# Altium PCB 56PCB -0.pcbdoc (part 1 of 2)
Units mm, origin at the board's own origin, x right, y up, seen from the top; angles counter-clockwise.
Board outline 101.98 x 99.56 mm, 2 copper layers (Top Layer, Bottom Layer); 154 components, 155 nets, 639 pads, 258 vias.
Unrouted connection lines stored in the file: 101.
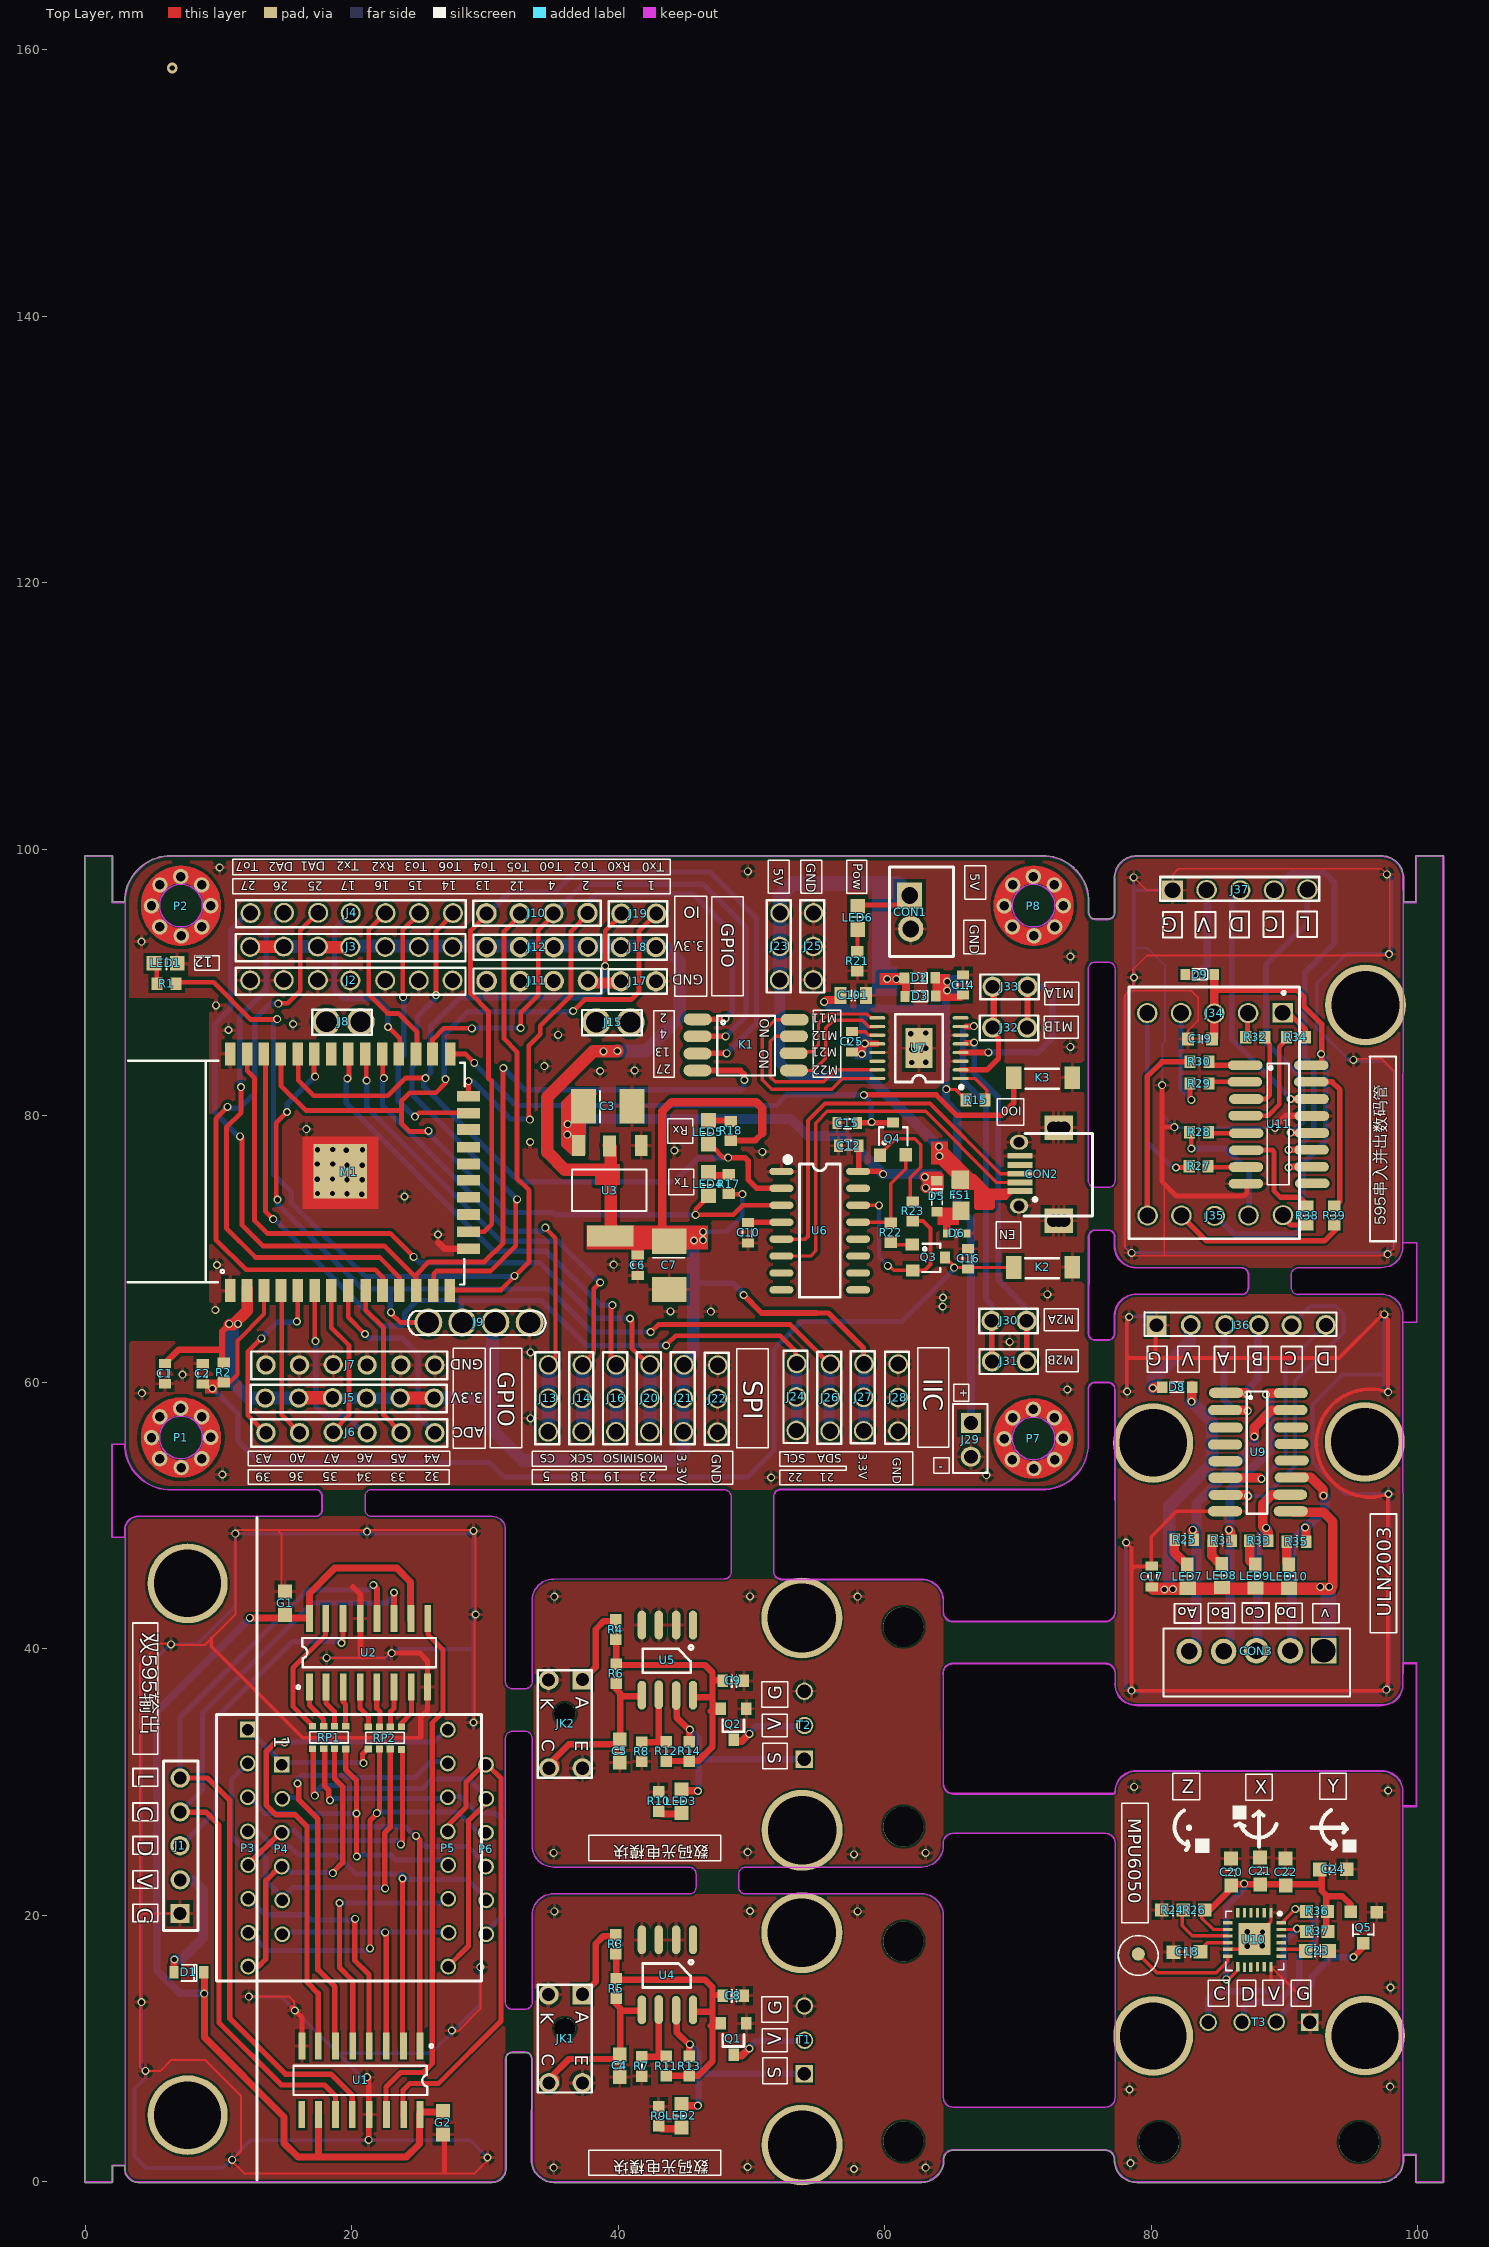
[diagram p0: Top Layer view]
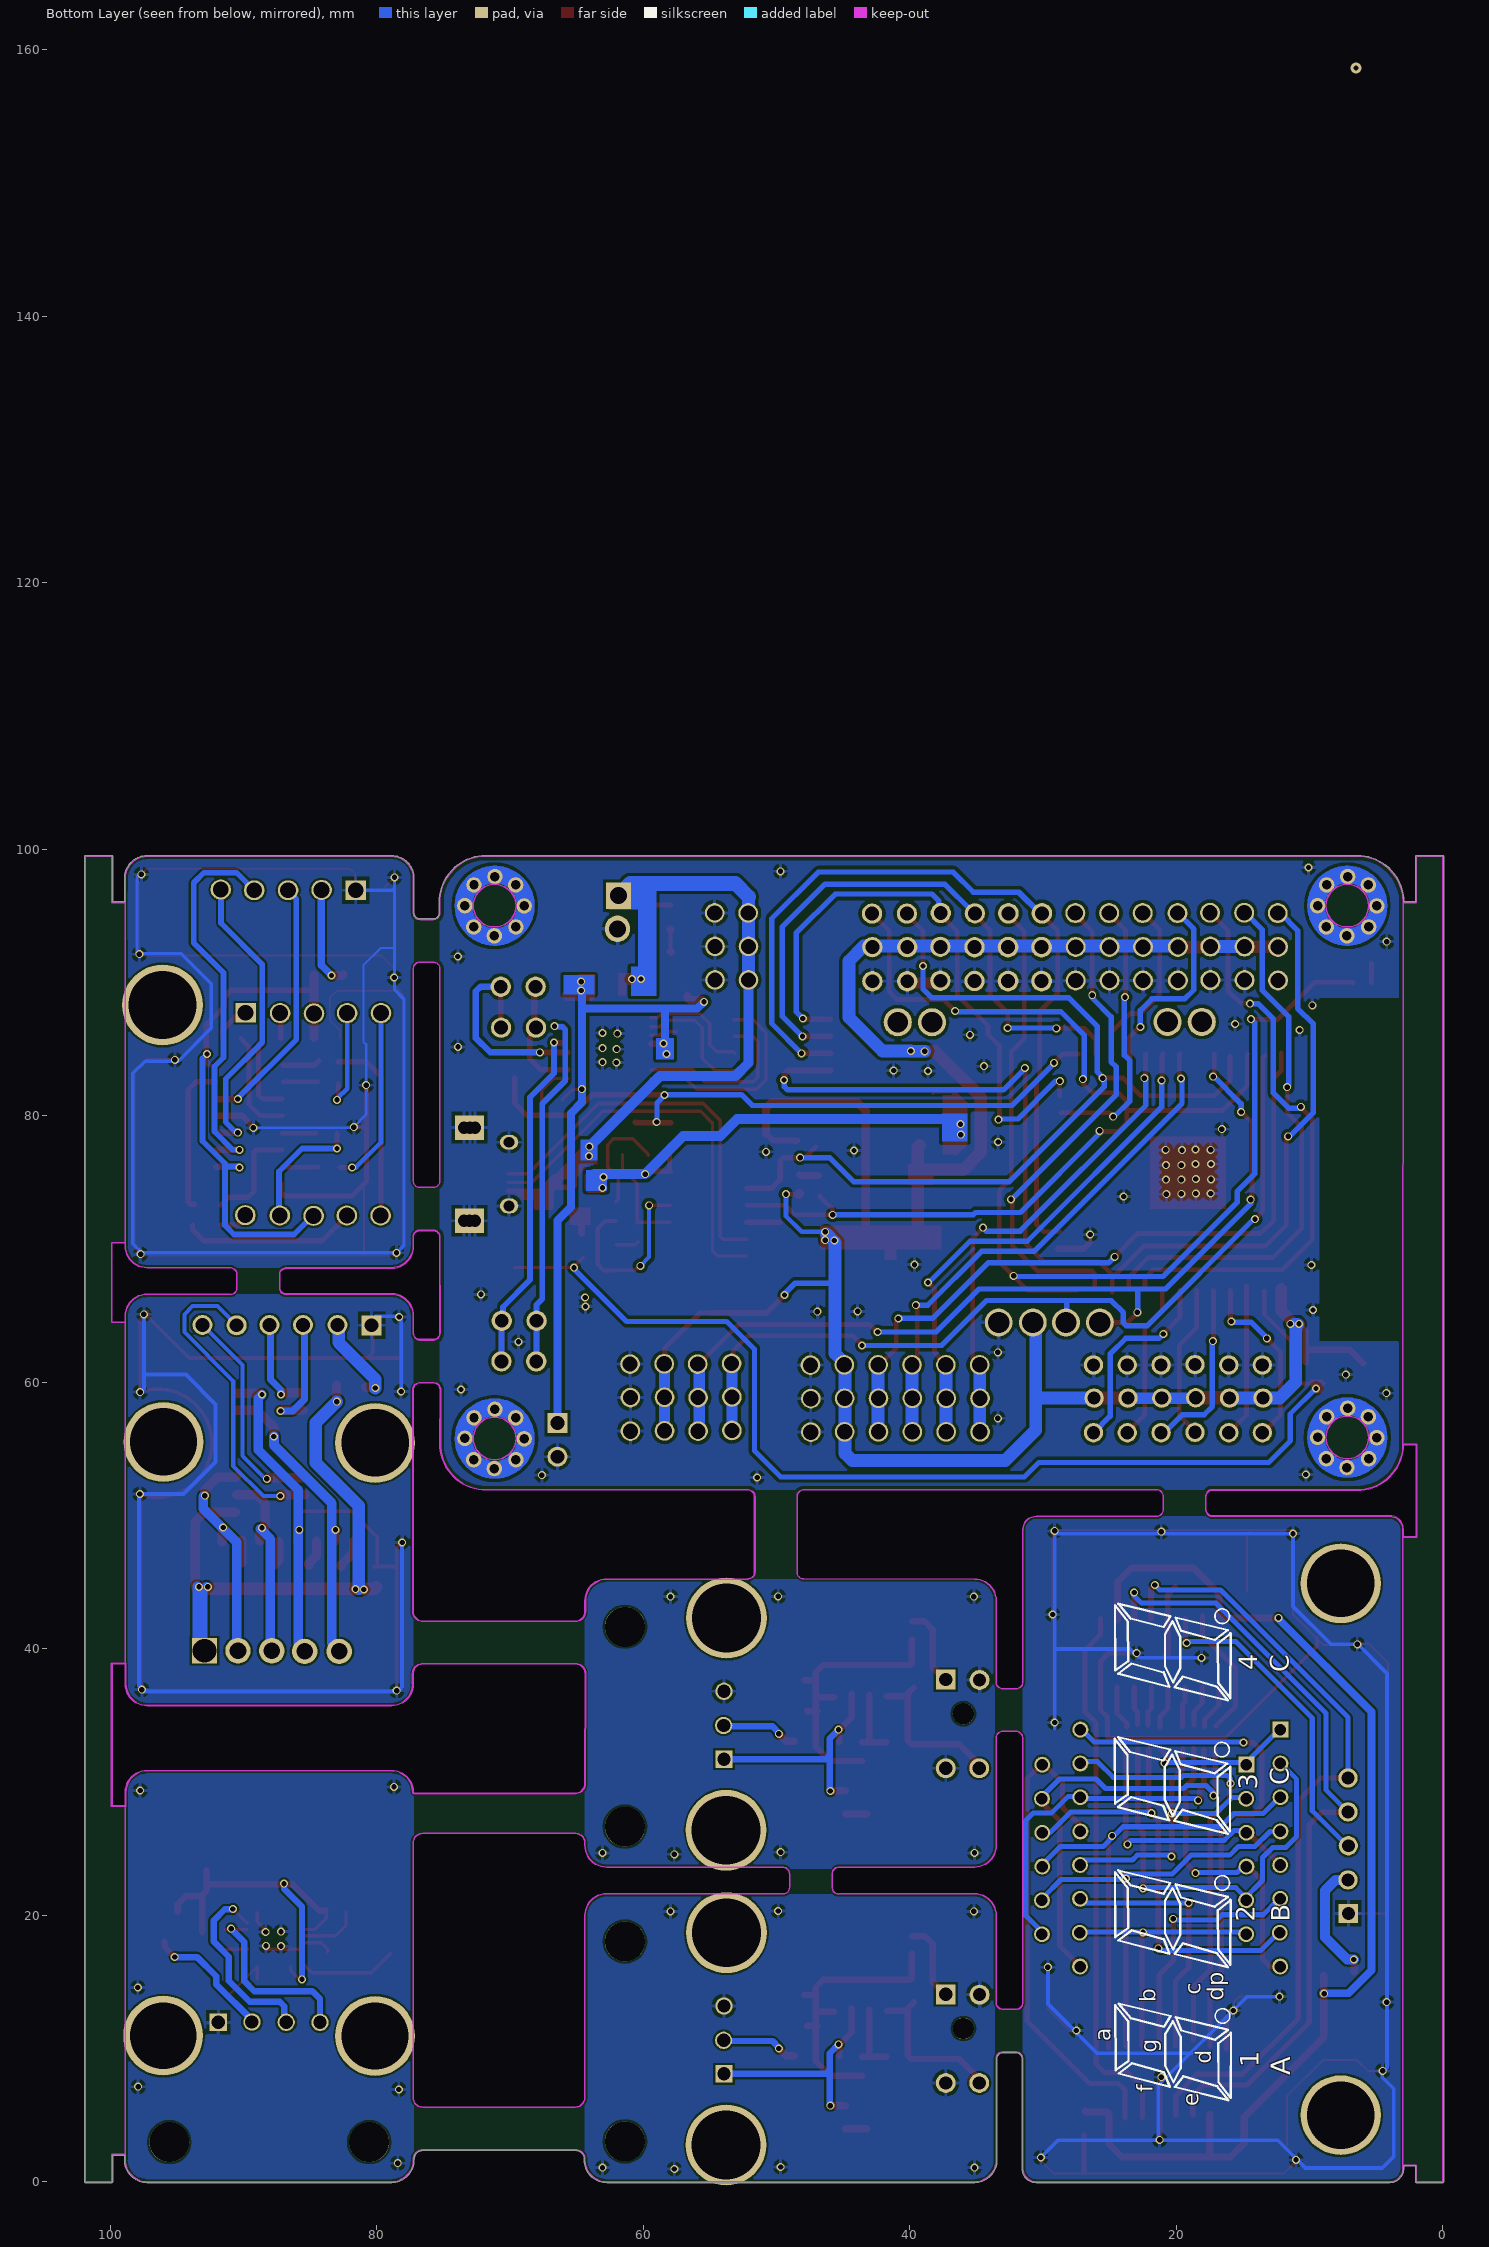
[diagram p1: Bottom Layer view, seen from below]

## Layer stack, top to bottom
Top Solder: solder mask 0.0102, Solder Resist, Dk 3.5
Top Layer: signal copper 0.0356
Dielectric 1: dielectric 0.32, FR-4, Dk 4.8
Bottom Layer: signal copper 0.0356
Bottom Solder: solder mask 0.0102, Solder Resist, Dk 3.5

## Board outline
3.989,-0.05 ccw(c3.991,0.991) 3.991,-0.05 ccw(c3.991,0) 3.991,-0.05 30.533,-0.05 30.534,-0.05 ccw(c30.534,0) 30.534,-0.05 ccw(c30.534,0.991) 31.465,0.525 ccw(c30.534,0.991) 31.575,0.99 ccw(c31.524,0.991) 31.575,0.991 31.58,9.24 ccw(c31.53,9.24) 31.58,9.24 cw(c32.038,9.24) 32.038,9.697 33.028,9.697 cw(c33.028,9.24) 33.486,9.24 cw(c33.028,9.24) 33.486,9.24 33.474,1.626 ccw(c33.524,1.626) 33.474,1.625 cw(c35.15,1.626) 33.474,1.626 33.474,1.625 ccw(c35.15,1.626) 35.15,-0.05 62.76,-0.05 ccw(c62.76,1.626) 64.436,1.625 ccw(c64.385,1.626) 64.436,1.626 cw(c62.76,1.626) 64.436,1.625 64.436,1.626 ccw(c64.385,1.626) 64.435,1.629 64.431,1.699 cw(c65.092,1.697) 65.092,2.358 76.547,2.358 cw(c76.547,1.697) 77.208,1.697 ccw(c77.258,1.697) 77.208,1.694 77.213,1.624 ccw(c78.889,1.626) 78.889,-0.05 97.253,-0.05 ccw(c97.253,0) 97.253,-0.05 ccw(c97.253,1.626) 98.929,1.626 98.929,2.007 99.828,2.007 99.828,0 ccw(c99.878,0) 99.878,-0.05 101.878,-0.05 ccw(c101.878,0) 101.929,0 101.929,99.46 ccw(c101.878,99.46) 101.878,99.51 99.878,99.51 ccw(c99.878,99.46) 99.828,99.46 99.828,96.04 98.93,96.04 98.929,97.834 ccw(c97.253,97.834) 97.253,99.51 78.889,99.51 ccw(c78.889,99.46) 78.888,99.51 ccw(c78.889,97.834) 77.213,97.834 ccw(c77.263,97.834) 77.224,97.803 77.224,95.25 ccw(c77.269,95.228) 77.218,95.228 cw(c76.761,95.228) 76.761,94.77 75.77,94.77 cw(c75.77,95.228) 75.312,95.227 75.313,96.285 ccw(c75.263,96.285) 75.313,96.285 ccw(c75.263,96.285) 75.313,96.288 ccw(c71.834,96.031) 72.092,99.51 ccw(c72.088,99.46) 72.088,99.51 6.176,99.51 ccw(c6.175,99.46) 6.171,99.51 ccw(c6.429,96.031) 2.951,96.299 ccw(c2.999,96.285) 2.949,96.285 2.949,96.04 2.05,96.04 2.05,99.46 ccw(c2,99.46) 2,99.51 0,99.51 ccw(c0,99.46) -0.05,99.46 -0.05,0 ccw(c0,0) 0,-0.05 2,-0.05 ccw(c2,0) 2.05,0 2.05,1.197 2.95,1.197 2.95,0.991 ccw(c3,0.991) 2.95,0.991 ccw(c3.991,0.991)
cut-out: 30.534,49.936 cw(c30.534,48.946) 31.524,48.946 31.526,37.51 31.529,37.51 ccw(c32.037,37.51) 32.037,37.002 33.027,37.002 ccw(c33.027,37.51) 33.535,37.51 33.533,37.51 33.524,43.605 cw(c35.15,43.605) 35.15,45.231 47.959,45.248 ccw(c47.959,45.756) 48.467,45.756 48.467,51.42 ccw(c47.959,51.42) 47.959,51.928 21.506,51.94 ccw(c21.506,51.432) 20.998,51.432 20.998,50.442 ccw(c21.506,50.442) 21.506,49.934 21.506,49.936
cut-out: 75.267,75.127 75.263,91.012 cw(c75.771,91.012) 75.771,91.52 76.762,91.52 cw(c76.762,91.012) 77.27,91.012 77.274,91.012 77.274,75.127 cw(c76.766,75.127) 76.766,74.619 75.775,74.619 cw(c75.775,75.127)
cut-out: 90.503,67.091 ccw(c91.011,67.091) 91.011,66.583 91.011,66.586 97.253,66.599 cw(c97.253,64.973) 98.878,64.973 98.878,64.494 99.9,64.494 99.9,70.463 98.878,70.463 98.878,70.224 cw(c97.253,70.224) 97.253,68.599 91.011,68.592 91.011,68.59 ccw(c91.011,68.082) 90.503,68.082
cut-out: 49.033,22.108 ccw(c49.541,22.108) 49.541,21.6 62.76,21.615 cw(c62.76,19.99) 64.385,19.99 64.397,6.319 64.398,6.319 ccw(c65.11,6.319) 65.11,5.608 76.565,5.608 ccw(c76.565,6.319) 77.276,6.319 77.276,25.428 ccw(c76.565,25.428) 76.565,26.139 65.092,26.139 ccw(c65.092,25.428) 64.381,25.428 64.385,25.428 64.385,25.241 cw(c62.76,25.241) 62.76,23.615 49.541,23.606 ccw(c49.541,23.098) 49.033,23.098
cut-out: 31.529,13.456 ccw(c32.037,13.456) 32.037,12.948 33.027,12.948 ccw(c33.027,13.456) 33.535,13.456 33.533,13.456 33.524,19.99 cw(c35.15,19.99) 35.15,21.615 45.325,21.601 45.325,21.598 ccw(c45.325,22.106) 45.833,22.106 45.833,23.097 ccw(c45.325,23.097) 45.325,23.605 45.325,23.607 35.15,23.615 cw(c35.15,25.241) 33.524,25.241 33.536,33.294 ccw(c33.028,33.294) 33.028,33.802 32.038,33.802 ccw(c32.038,33.294) 31.53,33.294 31.526,33.294
cut-out: 65.11,29.1 77.178,29.1 ccw(c77.178,29.235) 77.313,29.235 cw(c78.889,29.235) 78.889,30.811 88.071,30.811 97.253,30.811 cw(c97.253,29.235) 98.828,29.236 ccw(c98.878,29.235) 98.828,29.235 98.828,28.215 ccw(c98.878,28.215) 98.837,28.186 ccw(c98.894,28.215) 98.894,28.151 99.881,28.151 ccw(c99.881,28.215) 99.945,28.215 99.945,38.873 ccw(c99.881,38.873) 99.881,38.936 98.894,38.936 ccw(c98.894,38.873) 98.831,38.862 ccw(c98.881,38.859) 98.831,38.859 98.828,37.363 ccw(c98.878,37.363) 98.828,37.363 ccw(c97.253,37.363) 98.828,37.363 cw(c97.253,37.363) 97.253,35.788 cw(c97.253,37.363) 97.253,35.788 cw(c97.253,35.738) 97.253,35.788 78.889,35.788 cw(c78.889,37.363) 77.314,37.329 ccw(c77.277,37.363) 77.328,37.363 77.328,38.142 ccw(c76.554,38.142) 76.554,38.916 65.084,38.916 ccw(c65.084,38.154) 64.323,38.154 ccw(c64.373,38.154) 64.326,38.136 64.346,29.861 ccw(c64.397,29.861) 64.348,29.849 ccw(c65.11,29.861)
cut-out: 64.335,43.605 cw(c64.385,43.605) 64.335,43.606 cw(c62.76,43.605) 64.335,43.605 64.34,42.776 cw(c65.102,42.777) 64.34,42.777 64.34,42.776 ccw(c65.102,42.777) 65.102,42.015 76.557,42.015 ccw(c76.557,42.777) 77.319,42.777 ccw(c77.269,42.777) 77.319,42.777 77.315,59.449 ccw(c77.265,59.449) 77.315,59.456 ccw(c76.757,59.449) 76.757,60.008 75.766,60.008 ccw(c75.766,59.449) 75.208,59.449 ccw(c75.258,59.449) 75.209,59.437 75.213,55.113 cw(c71.834,55.365) 72.086,51.987 52.175,51.98 cw(c52.175,51.421) 52.175,51.98 ccw(c52.175,51.421) 51.617,51.421 51.617,45.757 ccw(c52.175,45.757) 52.159,45.199 ccw(c52.175,45.246) 52.175,45.196 62.76,45.18 ccw(c62.76,45.231) 62.76,45.18 ccw(c62.76,43.605) 62.76,45.18 cw(c62.76,43.605)
cut-out: 31.474,48.946 cw(c31.524,48.946) 31.474,48.946 cw(c31.524,48.946) 31.474,48.947 cw(c30.534,48.946)
cut-out: 31.474,48.946 cw(c31.524,48.946) 31.474,48.946 cw(c31.524,48.946) 31.474,48.947 cw(c30.534,48.946)
cut-out: 2.033,48.415 2.95,48.415 2.95,48.946 cw(c3,48.946) 2.95,48.947 cw(c3,48.946) 2.95,48.947 ccw(c3.991,48.946) 2.95,48.946 2.95,48.947 cw(c3.991,48.946) 3.06,49.411 cw(c3.991,48.946) 3.991,49.987 cw(c3.991,49.936) 3.991,49.987 17.29,49.987 cw(c17.29,49.936) 17.308,49.983 ccw(c17.29,50.441) 17.748,50.441 17.748,51.431 ccw(c17.29,51.431) 17.29,51.889 ccw(c17.29,51.431) 17.29,51.889 6.683,51.886 cw(c6.683,51.936) 6.683,51.886 cw(c6.683,51.936) 6.683,51.886 ccw(c6.683,51.936) 6.683,51.886 6.175,51.886 cw(c6.175,51.936) 6.171,51.886 cw(c6.429,55.365) 2.95,55.108 cw(c3,55.111) 2.95,55.111 2.95,55.315 2.033,55.315
cut-out: 75.307,63.665 ccw(c75.765,63.665) 75.765,63.208 76.755,63.208 ccw(c76.755,63.665) 77.213,63.665 ccw(c76.755,63.665) 77.213,63.665 77.213,64.973 cw(c77.263,64.973) 77.213,64.973 cw(c78.889,64.973) 78.888,66.649 cw(c78.889,64.973) 78.889,66.649 86.795,66.632 ccw(c86.795,67.09) 87.253,67.09 87.253,68.08 ccw(c86.795,68.08) 86.795,68.538 cw(c86.795,68.588) 86.795,68.538 78.889,68.548 cw(c78.889,68.599) 78.888,68.548 cw(c78.889,70.224) 77.213,70.224 ccw(c77.263,70.224) 77.213,70.224 77.213,71.016 ccw(c76.767,70.911) 76.767,71.369 75.777,71.369 ccw(c75.777,70.911) 75.319,70.911 cw(c75.269,70.911) 75.319,70.911

## Design rules (kind name [scope] priority, off if disabled: settings)
Clearance [All] p1: gap=0.152 ignorepadtopadclearanceinfootprint=FALSE
HoleToHoleClearance [All] p1: gap=0.203 allowstackedmicrovias=TRUE
PolygonConnect [All] p1: connectstyle=Relief reliefconductorwidth=0.254 reliefentries=4 polygonreliefangle="90 Angle" airgapwidth=0.254
RoutingVias [All] p1: holewidth=6 width=8 viastyle="Through Hole" minholewidth=0.3 minwidth=0.6 maxholewidth=0.711 maxwidth=1.27
SilkToSilkClearance [All] p1: silktosilkclearance=0.152
SolderMaskExpansion [All] p1: expansion=0.102 istentingtop=FALSE
Width [All] p1: maxlimit=5 minlimit=0.203 preferedwidth=0.254
28 further rules are at their usual default settings.

## Components (designator, comment, footprint, x,y, rotation, side; value= is the part's Value field where it differs from the comment)
C1 "104" COMPONENT_13 5.972,60.649 r90 top
C2 "104" COMPONENT_13 8.817,60.623 r90 top
C3 "100UF/10V" COMPONENT_17 39.195,80.715 r180 top
C4 "104" COMPONENT_4#1 40.103,8.712 r270 top
C5 "104" COMPONENT_4#1 40.103,32.328 r270 top
C6 "104" COMPONENT_13 41.456,68.777 r90 top
C7 "100UF/10V" COMPONENT_17 43.818,68.777 r90 top
C8 "105" COMPONENT_5#1 48.637,13.97 r90 top
C9 "105" COMPONENT_5#1 48.637,37.585 r90 top
C10 "104" COMPONENT_13 49.733,71.222 r90 top
C12 "104" COMPONENT_13 57.277,77.749 r0 top
C14 "104" COMPONENT_13 65.865,89.808 r90 top
C15 "104" COMPONENT_13 57.175,79.451 r180 top
C16 "104" COMPONENT_13 66.246,69.259 r90 top
C17 "104" COMPONENT_5#2 80.032,45.415 r0 top
C18 "104" COMPONENT_5#3 82.673,17.247 r90 top
C19 "104" COMPONENT_4#2 83.651,85.769 r0 top
C20 "104." COMPONENT_5#3 85.975,23.241 r0 top
C21 "104." COMPONENT_5#3 88.16,23.317 r180 top
C22 "103" COMPONENT_5#3 90.065,23.241 r180 top
C23 "2.2nF" COMPONENT_4#3 92.452,17.323 r180 top
C24 "105" COMPONENT_5#3 93.646,23.444 r270 top
C25 "10nf" COMPONENT_13 57.531,85.547 r270 top
C101 "10UF" "C 0805_L" 57.633,89.027 r180 top
CON1 "XH2.54MM*2P直针插座" COMPONENT_24 61.903,95.269 r90 top
CON2 "安卓尾插牛角5针USB插座" COMPONENT_25 71.656,75.609 r90 top
CON3 "XH2.54MM*5P直针插座" COMPONENT_7#1 87.88,39.827 r0 top
D1 "S4" COMPONENT_6#1 7.775,15.723 r0 top
D2 "S4" COMPONENT_21 62.614,90.341 r0 top
D3 "S4" COMPONENT_21 62.665,88.97 r0 top
D5 "S4" COMPONENT_21 63.909,73.958 r90 top
D6 "NC" COMPONENT_22 65.382,71.164 r0 top
D8 "S4" COMPONENT_2#1 81.937,59.639 r0 top
D9 "S4" COMPONENT_3#1 83.626,90.595 r0 top
FS1 "FS" COMPONENT_23 65.687,74.034 r90 top
G1 "104" COMPONENT_5#4 14.989,43.434 r180 top
G2 "104" COMPONENT_5#4 26.851,4.42 r180 top
J1 "2.54排针5P黑色" COMPONENT_1#1 7.115,25.222 r0 top
J2 "2.54排针13P黑色" COMPONENT_4#4 19.967,90.163 r90 top
J3 "2.54排针13P红色" COMPONENT_4#4 19.967,92.678 r90 top
J4 "2.54排针13P黄色" COMPONENT_4#4 19.993,95.218 r90 top
J5 "2.54排针6P红色" COMPONENT_1#2 19.84,58.82 r90 top
J6 "2.54排针6P蓝色" COMPONENT_1#2 19.891,56.229 r90 top
J7 "2.54排针6P黑色" COMPONENT_1#2 19.891,61.309 r90 top
J8 "2P圆孔排母DS18B20" COMPONENT_5#5 19.383,87.039 r90 top
J9 "4P圆孔排母DS18B20" COMPONENT_2#2 29.543,64.484 r90 top
J10 "NC" COMPONENT_6#2 33.886,95.193 r90 top
J11 "NC" COMPONENT_6#2 33.912,90.113 r90 top
J12 "NC" COMPONENT_6#2 33.912,92.653 r90 top
J13 "2.54排针3P白色" COMPONENT_3#2 34.75,58.794 r90 top
J14 "2.54排针3P绿色" COMPONENT_3#2 37.29,58.794 r90 top
J15 "2P圆孔排母DS18B20" COMPONENT_5#5 39.627,87.014 r90 top
J16 "2.54排针3P蓝色" COMPONENT_3#2 39.83,58.794 r90 top
J17 "NC" COMPONENT_7#2 41.506,90.087 r90 top
J18 "NC" COMPONENT_7#2 41.506,92.653 r90 top
J19 "NC" COMPONENT_7#2 41.532,95.167 r90 top
J20 "2.54排针3P黄色" COMPONENT_3#2 42.37,58.794 r90 top
J21 "2.54排针3P红色" COMPONENT_3#2 44.91,58.794 r90 top
J22 "2.54排针3P黑色" COMPONENT_3#2 47.45,58.769 r90 top
J23 "2.54排针3P红色" COMPONENT_3#2 52.124,92.703 r90 top
J24 "2.54排针3P蓝色" COMPONENT_3#2 53.368,58.896 r90 top
J25 "2.54排针3P黑色" COMPONENT_3#2 54.638,92.703 r90 top
J26 "2.54排针3P黄色" COMPONENT_3#2 55.908,58.845 r90 top
J27 "2.54排针3P红色" COMPONENT_3#2 58.423,58.871 r90 top
J28 "2.54排针3P黑色" COMPONENT_3#2 60.988,58.845 r90 top
J29 "NC" COMPONENT_8 66.449,55.67 r90 top
J30 "2.54排针2P蓝色" COMPONENT_7#2 69.319,64.611 r90 top
J31 "2.54排针2P黄色" COMPONENT_7#2 69.345,61.563 r90 top
J32 "2.54排针2P黄色" COMPONENT_7#2 69.37,86.607 r90 top
J33 "2.54排针2P蓝色" COMPONENT_7#2 69.396,89.681 r90 top
J34 "5P圆孔排母DS18B20" COMPONENT_2#3 84.769,87.7 r0 top
J35 "5P圆孔排母DS18B20" COMPONENT_2#4 84.794,72.51 r0 top
J36 "2.54排针6P黑色" COMPONENT_1#3 86.737,64.287 r0 top
J37 "2.54排针5P黑色" COMPONENT_1#4 86.648,96.945 r0 top
JK1 "ITR20403红外线对射式光电开关" COMPONENT_1#5 36.039,10.744 r90 top
JK2 "ITR20403红外线对射式光电开关" COMPONENT_1#5 36.039,34.36 r90 top
K1 "贴片拨码开关（4位，1.25mm脚间距）" COMPONENT_18 49.584,85.312 r90 top
K2 "3*4*2MM按键按钮 2脚" COMPONENT_19 71.859,68.624 r90 top
K3 "3*4*2MM按键按钮 2脚" COMPONENT_19 71.859,82.848 r90 top
LED1 "LED蓝" COMPONENT_11 6.023,91.433 r90 top
LED2 "LED蓝" COMPONENT_2#5 44.726,4.953 r90 top
LED3 "LED蓝" COMPONENT_2#5 44.726,28.568 r90 top
LED4 "LED蓝" COMPONENT_11 46.764,74.873 r0 top
LED5 "LED蓝" COMPONENT_11 46.764,78.759 r0 top
LED6 "LED蓝" COMPONENT_11 57.963,94.844 r180 top
LED7 "LED蓝" COMPONENT_6#3 82.724,45.441 r0 top
LED8 "LED蓝" COMPONENT_6#3 85.289,45.491 r0 top
LED9 "LED蓝" COMPONENT_6#3 87.804,45.466 r0 top
LED10 "LED蓝" COMPONENT_6#3 90.319,45.441 r0 top
M1 "ESP32-WROOM-32DC （WIFI&蓝牙模块）" COMPONENT_9 20.043,75.762 r90 top
P1 "NC" COMPONENT_26 7.191,55.823 r90 top
P2 "NC" COMPONENT_26 7.191,95.726 r90 top
P3 "8P圆孔排母DS18B20" COMPONENT_2#6 12.22,25.044 r0 top
P4 "6P圆孔排母DS18B20" COMPONENT_3#3 14.76,24.943 r0 top
P5 "8P圆孔排母DS18B20" COMPONENT_2#7 27.232,25.044 r0 top
P6 "6P圆孔排母DS18B20" COMPONENT_3#4 30.076,24.943 r0 top
P7 "NC" COMPONENT_26 71.174,55.746 r90 top
P8 "NC" COMPONENT_26 71.174,95.726 r90 top
Q1 "662K" COMPONENT_6#4 48.637,10.719 r90 top
Q2 "662K" COMPONENT_6#4 48.637,34.334 r90 top
Q3 "Y1" COMPONENT_20 63.223,69.361 r90 top
Q4 "Y1" COMPONENT_20 60.604,78.207 r180 top
Q5 "662K" COMPONENT_3#5 95.932,19.075 r180 top
R1 "510R" COMPONENT_10 6.099,89.909 r90 top
R2 "100K" COMPONENT_10 10.391,60.725 r180 top
R3 "100R" COMPONENT_3#6 39.823,17.831 r90 top
R4 "100R" COMPONENT_3#6 39.823,41.446 r90 top
R5 "10K" COMPONENT_3#6 39.849,14.503 r90 top
R6 "10K" COMPONENT_3#6 39.849,38.119 r90 top
R7 "10K" COMPONENT_3#6 41.754,8.661 r90 top
R8 "10K" COMPONENT_3#6 41.754,32.277 r90 top
R9 "150R" COMPONENT_3#6 43.024,4.928 r90 top
R10 "150R" COMPONENT_3#6 43.024,28.543 r90 top
R11 "10K" COMPONENT_3#6 43.583,8.687 r90 top
R12 "10K" COMPONENT_3#6 43.583,32.302 r90 top
R13 "10K" COMPONENT_3#6 45.31,8.687 r90 top
R14 "10K" COMPONENT_3#6 45.31,32.302 r90 top
R15 "47K" COMPONENT_10 66.802,81.178 r90 top
R17 "510R" COMPONENT_10 48.288,74.873 r180 top
R18 "510R" COMPONENT_10 48.441,78.86 r180 top
R21 "1K" COMPONENT_10 57.937,91.592 r180 top
R22 "10K" COMPONENT_10 60.452,71.222 r180 top
R23 "10K" COMPONENT_10 62.078,72.822 r180 top
R24 "4K7" COMPONENT_6#5 81.581,20.396 r180 top
R25 "1K" COMPONENT_4#5 82.47,48.184 r0 top
R26 "NC" COMPONENT_6#5 83.207,20.396 r180 top
R27 "1K" COMPONENT_5#6 83.55,76.219 r0 top
R28 "1K" COMPONENT_5#6 83.575,78.759 r0 top
R29 "1K" COMPONENT_5#6 83.6,82.416 r0 top
R30 "1K" COMPONENT_5#6 83.6,84.042 r0 top
R31 "1K" COMPONENT_4#5 85.315,48.108 r0 top
R32 "1K" COMPONENT_5#6 87.791,85.896 r0 top
R33 "1K" COMPONENT_4#5 88.058,48.108 r0 top
R34 "1K" COMPONENT_5#6 90.839,85.896 r0 top
R35 "1K" COMPONENT_4#5 90.877,48.031 r0 top
R36 "4K7" COMPONENT_6#5 92.427,20.295 r180 top
R37 "4K7" COMPONENT_6#5 92.452,18.796 r180 top
R38 "1K" COMPONENT_5#6 91.703,72.51 r90 top
R39 "1K" COMPONENT_5#6 93.735,72.51 r90 top
RP1 "220R" COMPONENT_7#3 18.291,33.325 r0 top
RP2 "220R" COMPONENT_7#3 22.482,33.299 r0 top
T1 "弯针连接器KF2510-3P白色" 21#1 53.946,8.103 r0 top
T2 "弯针连接器KF2510-3P白色" 21#1 53.946,31.718 r0 top
T3 "弯针连接器KF2510-4P白色" 21#2 91.893,11.966 r90 top
U1 "74FC595D" COMPONENT_4#6 20.678,7.62 r180 top
U2 "74FC595D" COMPONENT_4#6 21.263,39.7 r0 top
U3 "AMS1117-3.3V" COMPONENT_14 39.373,74.365 r90 top
U4 "LM358" COMPONENT_7#4 43.684,15.519 r90 top
U5 "LM358" COMPONENT_7#4 43.684,39.135 r90 top
U6 "CH340C" SOP16_N 55.118,71.374 r0 top
U7 "DRV8833" TSSOP16_L 62.56,85.065 r180 top
U9 "ULN2003A" COMPONENT_3#7 88.033,54.762 r0 top
U10 "MPU-6050" COMPONENT_2#8 87.728,18.161 r180 top
U11 "74FC595D" COMPONENT_6#6 89.544,79.343 r0 top
